# Altium PCB M5_CORE2_re.PcbDoc (part 1 of 3) (continued)
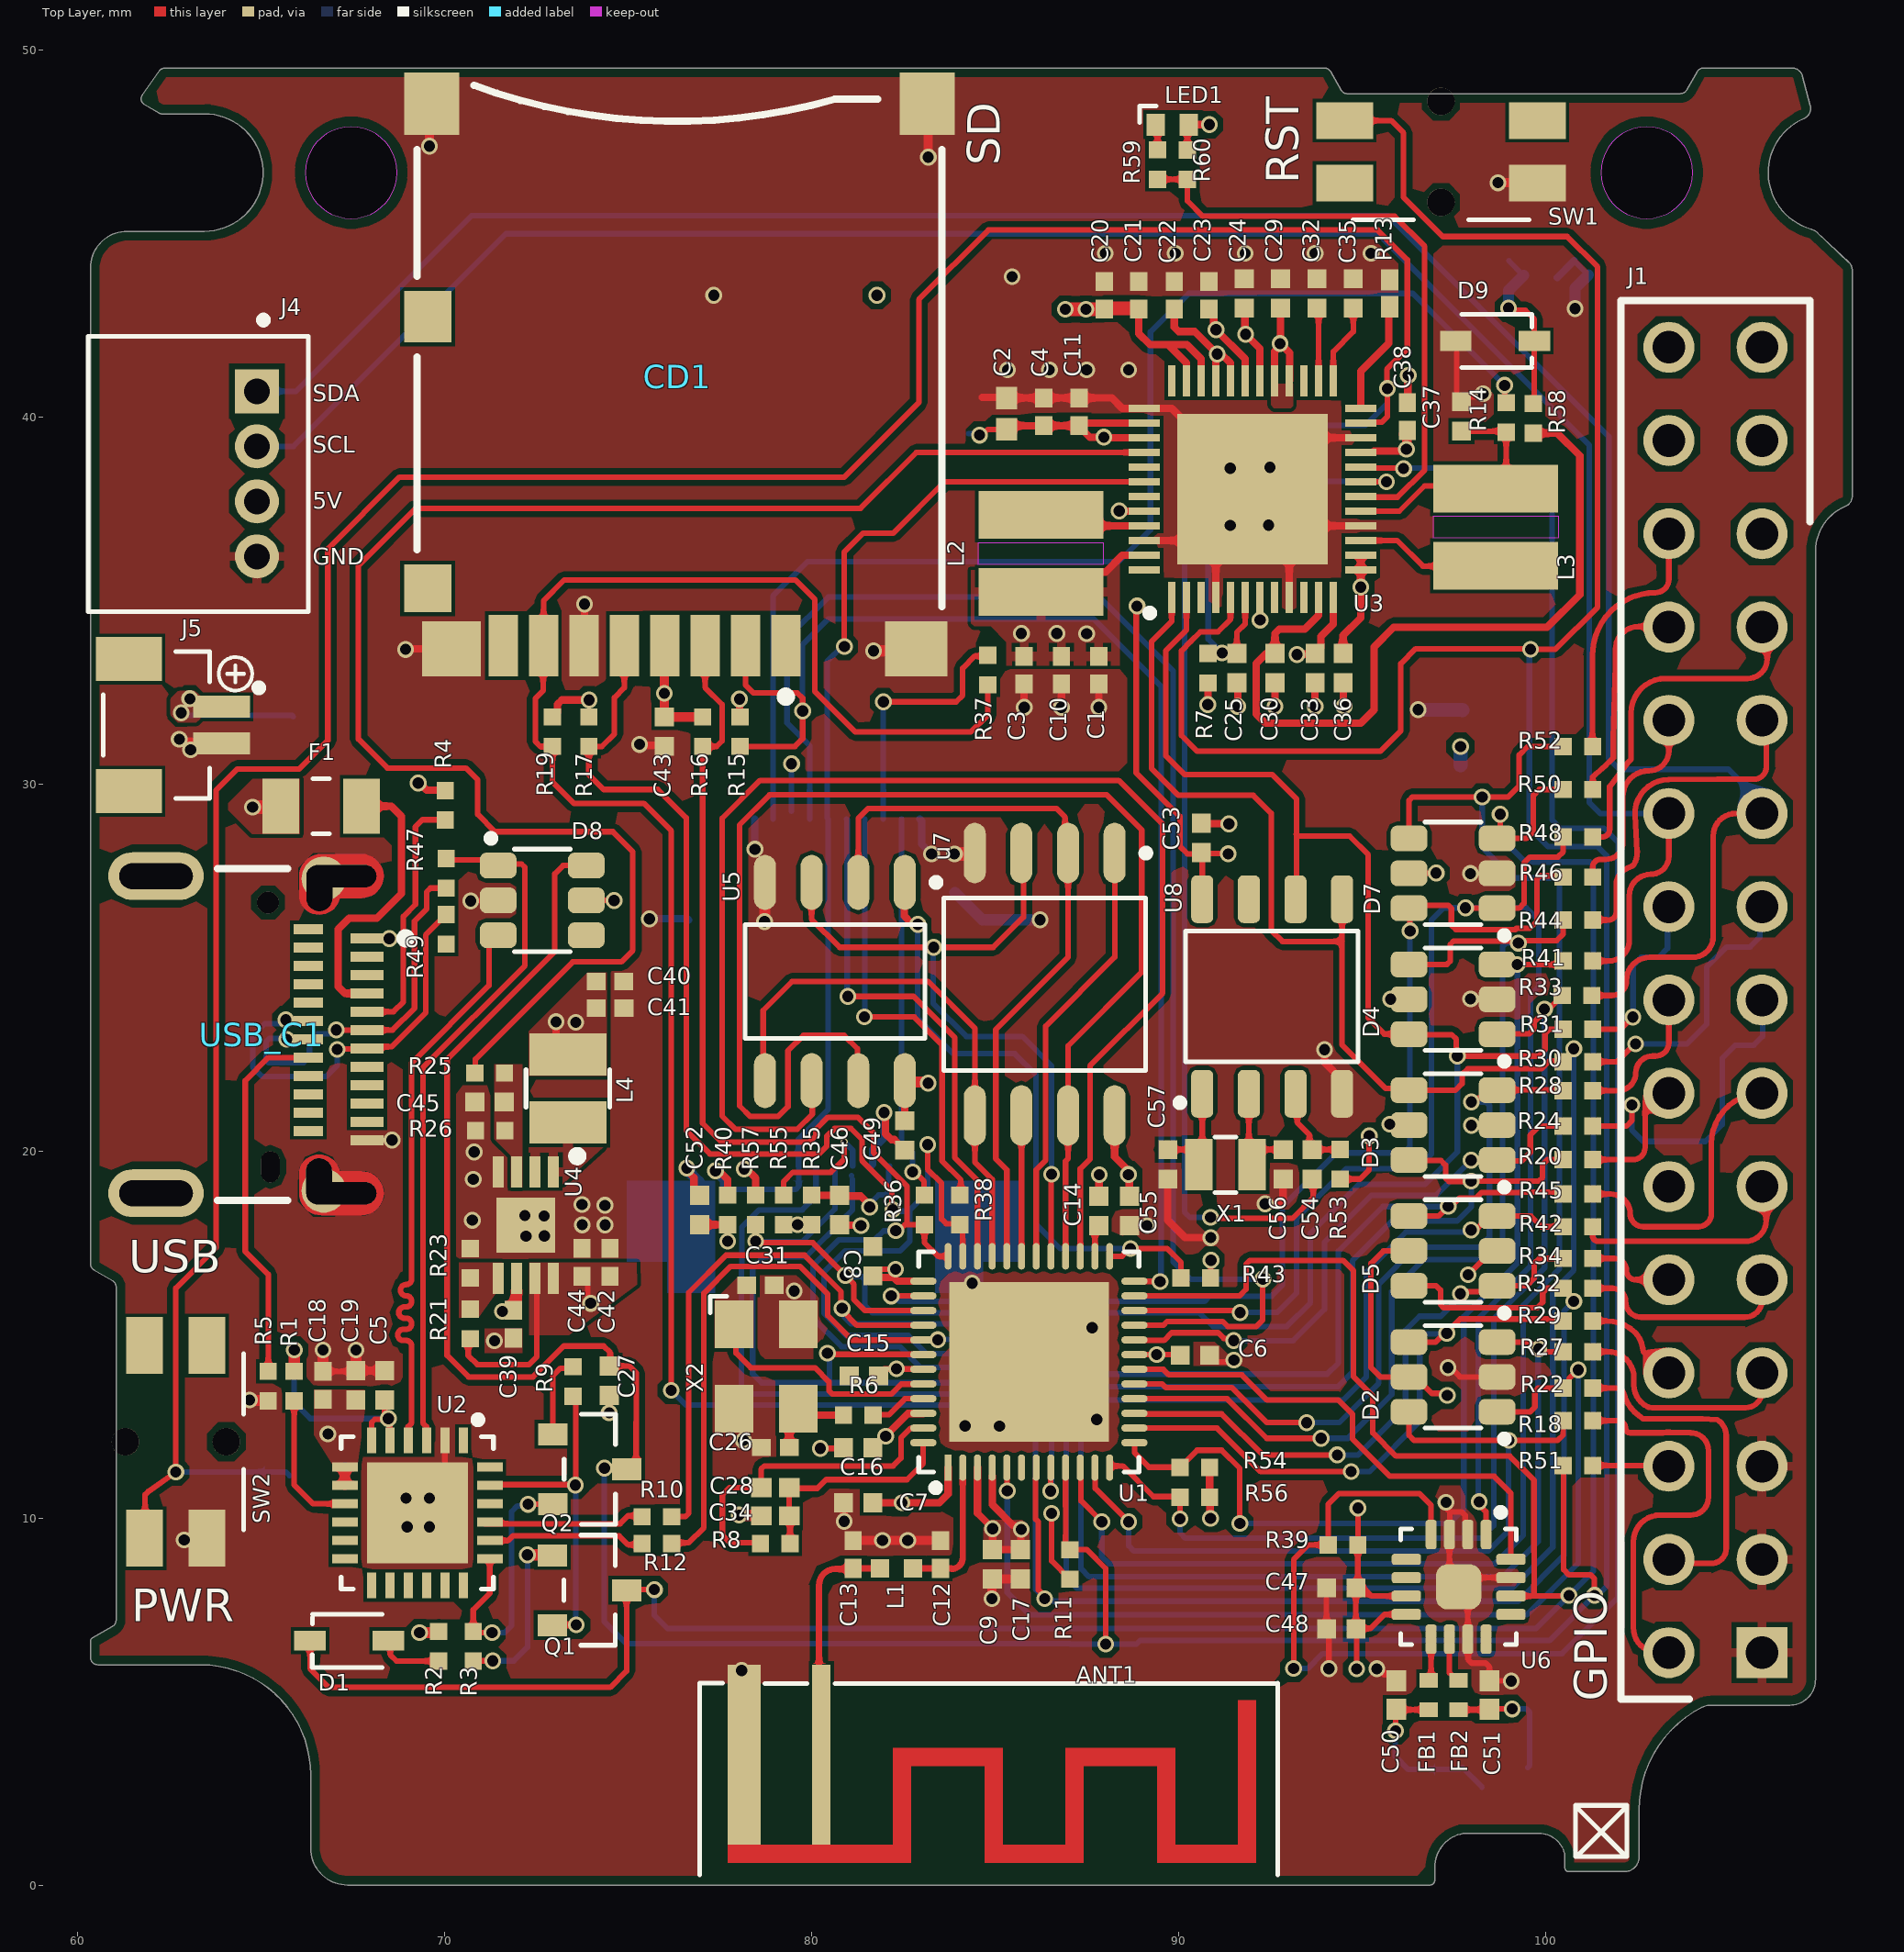
[diagram p0: Top Layer view]
## Footprints (in the part's own frame and the unit in brackets; to place one, negate y for a bottom-side part, rotate by r counter-clockwise, add the part's x,y. Pads: shape width x height; smd on the part's side, far side on the other; paste and mask are expansions set on the pad) (continued)
  rect 2.75x2.75 smd paste-1000 mask+0: 25(0,0)
  silkscreen extent -2.62,-2.07 2.07,2.07, body extent -2.42,-2.42 2.42,2.42, height 0.25
FP-CR0402-IPC_A [mm]
  rect 0.468x0.472 smd paste+0 mask+0: 1(-0.402,0) 2(0.402,0)
  body extent -1.04,-0.54 1.04,0.54, height 0.25
FP-ERJ2RK-IPC_C [mm]
  rect 0.468x0.472 smd paste+0 mask+0: 1(-0.402,0) 2(0.402,0)
  body extent -0.74,-0.38 0.74,0.38, height 0.25
FP-ESP32-D0WDQ6-IPC_C [mm]
  rect 0.718x0.192 smd paste+0 mask+0: 1(-2.877,2.2)
  rrect100% 0.718x0.192 smd paste+0 mask+0: 2(-2.877,1.8) 3(-2.877,1.4) 4(-2.877,1) 5(-2.877,0.6) 6(-2.877,0.2) 7(-2.877,-0.2) 8(-2.877,-0.6) 9(-2.877,-1) 10(-2.877,-1.4) 11(-2.877,-1.8) 12(-2.877,-2.2) 25(2.877,-2.2) 26(2.877,-1.8) 27(2.877,-1.4) 28(2.877,-1) 29(2.877,-0.6) 30(2.877,-0.2) 31(2.877,0.2) 32(2.877,0.6) 33(2.877,1) 34(2.877,1.4) 35(2.877,1.8) 36(2.877,2.2)
  rrect100% 0.192x0.718 smd paste+0 mask+0: 13(-2.2,-2.877) 14(-1.8,-2.877) 15(-1.4,-2.877) 16(-1,-2.877) 17(-0.6,-2.877) 18(-0.2,-2.877) 19(0.2,-2.877) 20(0.6,-2.877) 21(1,-2.877) 22(1.4,-2.877) 23(1.8,-2.877) 24(2.2,-2.877) 37(2.2,2.877) 38(1.8,2.877) 39(1.4,2.877) 40(1,2.877) 41(0.6,2.877) 42(0.2,2.877) 43(-0.2,2.877) 44(-0.6,2.877) 45(-1,2.877) 46(-1.4,2.877) 47(-1.8,2.877) 48(-2.2,2.877)
  rect 4.35x4.35 smd paste-1000 mask+0: 49(0,0)
  silkscreen extent -3.51,-3 3,3, body extent -3.34,-3.34 3.34,3.34, height 0.25
FP-EVQ-PUC02K-MFG [mm]
  rect 1.55x1 smd paste+0 mask+0: 1(2.625,0.85) 2(2.625,-0.85) 3(-2.625,0.85) 4(-2.625,-0.85)
  round 0.75 hole 0.75 unplated paste-2539.97 mask+0: ""(0,1.375) ""(0,-1.375)
  silkscreen extent -2.4,1.85 2.4,1.85, body extent -3.5,-2.95 3.5,1.95, height 0.25
FP-GJM155-0_05-IPC_C [mm]
  rect 0.515x0.472 smd paste+0 mask+0: 1(-0.379,0) 2(0.379,0)
  body extent -0.74,-0.38 0.74,0.38, height 0.25
FP-GRM155-0_1-IPC_B#1 [mm]
  rect 0.615x0.572 smd paste+0 mask+0: 1(-0.429,0) 2(0.429,0)
  body extent -0.89,-0.44 0.89,0.44, height 0.25
FP-GRM155-0_1-IPC_B#2 [mm]
  rect 0.52x0.52 smd paste+0 mask+0: 1(-0.4,0) 2(0.4,0)
  body extent -0.89,-0.44 0.89,0.44, height 0.25
FP-GRM155-0_2-IPC_B [mm]
  rect 0.52x0.52 smd paste+0 mask+0: 1(-0.4,0) 2(0.4,0)
  body extent -0.95,-0.5 0.95,0.5, height 0.25
FP-LQM2HPN_G0-IPC_C [mm]
  rect 1.155x2.106 smd paste+0 mask+0: 1(-0.926,0) 2(0.926,0)
  silkscreen extent -0.51,-1.14 0.51,1.14, body extent -1.6,-1.2 1.6,1.2, height 0.25
FP-RMCF0402-IPC_C [mm]
  rect 0.581x0.472 smd paste+0 mask+0: 1(-0.366,0) 2(0.366,0)
  body extent -0.76,-0.38 0.76,0.38, height 0.25
FP-S4B-ZR_LF_SN-MFG [mm]
  rect 1.2x1.2 hole 0.7 paste-2539.97 mask+0: 1(-2.25,1.6)
  round 1.2 hole 0.7 paste-2539.97 mask+0: 2(-0.75,1.6) 3(0.75,1.6) 4(2.25,1.6)
  silkscreen extent -4.27,-3 3.75,3, body extent -3.85,-3.1 3.85,3.1, height 0.25
FP-SML-P1-MFG [mm]
  rect 0.5x0.6 smd paste+0 mask+0: 1(-0.45,0) 2(0.45,0)
  silkscreen extent -0.89,0.06 -0.44,0.51, body extent -0.8,-0.43 0.8,0.43, height 0.25
FP-SOD323-MFG [mm]
  rect 0.86x0.54 smd paste+0 mask+0: 1(-1.07,0) 2(1.07,0)
  silkscreen extent -1.01,-0.72 0.9,0.72, body extent -1.6,-0.82 1.6,0.82, height 0.25
FP-SOT96-1-MFG [mm]
  rrect50% 1.3x0.6 smd paste+0 mask+0: 1(-2.65,1.905) 2(-2.65,0.635) 3(-2.65,-0.635) 4(-2.65,-1.905) 5(2.65,-1.905) 6(2.65,-0.635) 7(2.65,0.635) 8(2.65,1.905)
  silkscreen extent -2.97,-2.34 1.78,2.59, body extent -3.5,-2.75 3.5,2.75, height 0.25
FP-SS8050-G-MFG [mm]
  rect 0.8x0.6 smd paste+0 mask+0: 1(-1.01,0.95) 2(-1.01,-0.95) 3(1.01,0)
  silkscreen extent -0.7,-1.5 0.7,1.5, body extent -1.51,-1.6 1.51,1.6, height 0.25
FP-T1633-4-MFG [mm]
  rrect50% 0.8x0.3 smd paste+0 mask+0: 1(-1.425,0.75) 2(-1.425,0.25) 3(-1.425,-0.25) 4(-1.425,-0.75) 9(1.425,-0.75) 10(1.425,-0.25) 11(1.425,0.25) 12(1.425,0.75)
  rrect50% 0.3x0.8 smd paste+0 mask+0: 5(-0.75,-1.425) 6(-0.25,-1.425) 7(0.25,-1.425) 8(0.75,-1.425) 13(0.75,1.425) 14(0.25,1.425) 15(-0.25,1.425) 16(-0.75,1.425)
  rrect50% 1.23x1.23 smd paste+0 mask+0: 17(0,0)
  silkscreen extent -2.11,-1.58 1.58,1.58, body extent -1.92,-1.92 1.92,1.92, height 0.25
MOLX-52745-0897 [mm]
  rect 0.3x0.8 smd: 1(-1.75,0.824) 2(-1.25,0.824) 3(-0.75,0.824) 4(-0.25,0.824) 5(0.25,0.824) 6(0.75,0.824) 7(1.25,0.824) 8(1.75,0.824)
  rect 1x1 smd: MP1(-4.135,-0.824) MP2(4.135,-0.824)
  Top Layer region: 3,0.424 5.4,0.424 5.4,-1.776 5.4,-1.777 4.3,-1.777 4.3,-2.626 3,-2.626 3,0.424
  Top Layer region: -5.4,0.424 -3,0.424 -3,-2.626 -3,-2.626 -4.3,-2.626 -4.3,-1.777 -4.3,-1.776 -5.4,-1.776
  silkscreen extent -5.05,-5.48 5.05,1.85, body extent -5.05,-5.48 5.05,0.92, height 2.01
MOLX-502774-0891_V [mm] "SMD, 14-Leads, Body 15x14.3mm, Pitch 1.1mm"
  rect 0.8x1.68 smd: 1(-2.9,7.385) 2(-1.8,7.385) 3(-0.7,7.385) 4(0.4,7.385) 5(1.5,7.385) 6(2.6,7.385) 7(3.7,7.385) 8(4.8,7.385)
  rect 1.29x1.3 smd: 9(6.855,5.825)
  rect 1.29x1.4 smd: 10(6.855,-1.575)
  rect 1.5x1.7 smd: 11(6.75,-7.375) 12(-6.75,-7.375)
  rect 1.7x1.5 smd: 13(-6.45,7.475)
  rect 1.6x1.5 smd: 14(6.21,7.475)
  silkscreen extent -7.15,-7.88 7.15,8.9, body extent -7.15,-8 7.15,8, height 1.78
RESC1005X40X25LL05T10 [mm]
  rect 0.472x0.468 smd: 1(-0.402,0) 2(0.402,0)
  body extent -0.53,-0.27 0.53,0.28, height 0.4
SEIK-MS621FE-FL11E-2_V [mm] "SMD, 2-Leads, Diameter 6.8mm"
  rect 1.8x0.5 smd: 1(4.75,0.75)
  rect 1.7x0.5 smd: 2(4.8,-0.75)
  silkscreen extent -3.4,-3.4 5,3.4, body extent -3.4,-3.4 4.35,3.4, height 2.7
SPI_Flash_MT25QL128ABA1ESE-0SIT [mm] "SOP2, 8-Leads, Body 5.29x5.29mm, Pitch 1.27mm, IPC Medium Density"
  oval 1.65x0.6 smd: 1(-3.575,1.905) 2(-3.575,0.635) 3(-3.575,-0.635) 4(-3.575,-1.905) 5(3.575,-1.905) 6(3.575,-0.635) 7(3.575,0.635) 8(3.575,1.905)
  silkscreen extent -3.65,-2.75 2.35,2.83, body extent -3.95,-2.75 3.95,2.75, height 1.78
SY7088 [mm]
  rect 0.85x0.3 smd: 1(-1.45,0.75) 2(-1.45,0.25) 3(-1.45,-0.25) 4(-1.45,-0.75) 5(1.45,-0.75) 6(1.45,-0.25) 7(1.45,0.25) 8(1.45,0.75)
  rect 1.5x1.6 smd: 9(0,0)
  silkscreen extent -2,1.28 -1.75,1.53, body extent -1.55,-1 1.55,1, height 0.9
TP06R [mm]
  round 1.207 smd paste-1000 mask+0: 1(0,0)
TypeC [mm]
  rrect100% 0.6x1.9 hole 1.9 slot 0.6 at 0 deg paste-2539.97 mask+0: 1(-4.32,3.265) 2(4.32,3.265)
  round 1.207 smd far side paste-1000 mask+0: 1(-4.25,2.785) 2(4.25,2.785)
  round 1.207 smd paste-1000 mask+0: 1(-4.25,2.785) 2(4.25,2.785)
  rrect100% 1.25x0.7 hole 0.7 slot 1.25 at 0 deg paste-2539.97 mask+0: 1(-3.995,2.665) 2(3.995,2.655)
  rrect100% 1.3x2.6 hole 2 slot 0.7 at 0 deg paste-2539.97 mask+0: 3(-4.32,-1.785) 4(4.32,-1.785)
  rect 0.27x0.9 smd paste+0 mask+0: A1(-2.625,3.965) A2(-2.125,3.965) A3(-1.625,3.965) A4(-1.125,3.965) A5(-0.625,3.965) A6(-0.125,3.965) A7(0.375,3.965) A8(0.875,3.965) A9(1.375,3.965) A10(1.875,3.965) A11(2.375,3.965) A12(2.875,3.965)
  rect 0.27x0.8 smd paste+0 mask+0: B1(2.625,2.365) B2(2.125,2.365) B3(1.625,2.365) B4(1.125,2.365) B5(0.625,2.365) B6(0.125,2.365) B7(-0.375,2.365) B8(-0.875,2.365) B9(-1.375,2.365) B10(-1.875,2.365) B11(-2.375,2.365) B12(-2.875,2.365)
  round 0.6 hole 0.6 unplated paste-2539.97 mask+0: ""(-3.6,1.265)
  rrect100% 0.85x0.5 hole 0.5 slot 0.85 at 0 deg unplated paste-2539.97 mask+0: ""(3.6,1.33)
  Top Layer region: -4.92,3.815 -4.84,4.115 -4.62,4.335 -4.32,4.415 -4.32,4.415 -4.09,4.369 -3.896,4.239 -3.766,4.045 -3.72,3.815 -3.72,3.815 -3.72,3.215 -3.487,3.112 -3.325,2.914 -3.27,2.665 -3.27,2.665 -3.321,2.42 -3.475,2.223 -3.7,2.115 -3.7,2.115 -4.32,2.115 -4.55,2.161 -4.744,2.291 -4.874,2.485 -4.92,2.715 -4.92,2.715
  Top Layer region: 4.92,3.815 4.84,4.115 4.62,4.335 4.32,4.415 4.32,4.415 4.09,4.369 3.896,4.239 3.766,4.045 3.72,3.815 3.72,3.815 3.72,3.215 3.487,3.112 3.325,2.914 3.27,2.665 3.27,2.665 3.321,2.42 3.475,2.223 3.7,2.115 3.7,2.115 4.32,2.115 4.55,2.161 4.744,2.291 4.874,2.485 4.92,2.715 4.92,2.715
  Bottom Layer region: -4.92,3.815 -4.84,4.115 -4.62,4.335 -4.32,4.415 -4.32,4.415 -4.09,4.369 -3.896,4.239 -3.766,4.045 -3.72,3.815 -3.72,3.815 -3.72,3.215 -3.487,3.112 -3.325,2.914 -3.27,2.665 -3.27,2.665 -3.321,2.42 -3.475,2.223 -3.7,2.115 -3.7,2.115 -4.32,2.115 -4.55,2.161 -4.744,2.291 -4.874,2.485 -4.92,2.715 -4.92,2.715
  Bottom Layer region: 4.92,3.815 4.84,4.115 4.62,4.335 4.32,4.415 4.32,4.415 4.09,4.369 3.896,4.239 3.766,4.045 3.72,3.815 3.72,3.815 3.72,3.215 3.487,3.112 3.325,2.914 3.27,2.665 3.27,2.665 3.321,2.42 3.475,2.223 3.7,2.115 3.7,2.115 4.32,2.115 4.55,2.161 4.744,2.291 4.874,2.485 4.92,2.715 4.92,2.715
  silkscreen extent -4.52,-0.11 4.52,5.14, body extent -4.47,-4.09 4.47,4.09, height 3.29
WE-MAPI_3015 [mm]
  rect 1.3x3.4 smd: 1(-1.05,0) 2(1.05,0)
  Top Layer keep-out region: -0.3,1.7 0.3,1.7 0.3,-1.7 -0.3,-1.7
  body extent -1.5,-1.5 1.5,1.5, height 1.5
WE-TCI_0402 [mm]
  rect 0.5x0.5 smd: 1(-0.45,0) 2(0.45,0)
  body extent -0.5,-0.25 0.5,0.25, height 0.32

## Part data
ANT1: "Generic symbol for PCB Antenna,", Frequency=2.4GHz, Reference=https://www.ti.com/lit/an/swra117d/swra117d.pdf
BT1: library part CMP-2000-05342-1, "MS Lihium Rechargeable Battery, 3 V, -20 to 60 degC, Tray", Capacity=5.5mAh, Manufacturer=SeikoInstruments, Output Voltage=3V, Battery Size=621, Brand=SeikoInstrumentsMicroEnergy, Chemistry=Lithium, Datasheet URL=http://datasheet.octopart.com/MS621FE-FL11E-Seiko-datasheet-5320152.pdf, Datasheet Version=Jan-08, Diameter=6.8mm, Factory Pack Quantity=100, Height=2.1mm, Manufacturer URL=http://www.sii.co.jp/en/, Mounting Style=WithLeads, Orientation=Vertical, Packaging=Tray, Product Category=CoinCellBattery, Rechargeable/Non-Rechargeable=Rechargeable, RoHS=NotApplicable, Series=MS, Termination Style=ThroughHole, Type=CoinCellBatterywithLeads, Unit Weight=0.008113oz
C1 C3 C4 C10 C11 C18 C20 C21 C22 C23 C38 C39 C40 C41 C42 C44: library part CMP-13271-000001-1, "CAP CER 22UF 6.3V X5R 0402", Capacitance=22uF, Manufacturer=Samsung, Manufacturer Part Number=CL05A226MQ5N6J8, Package=0402, Temperature="-55°C to +85°C", Temperature Characteristic=X5R, Temperature Coefficient=15%, Temperature Range High=+85°C, Temperature Range Low=-55°C, Tolerance=20%, Voltage Rating=6.3V, Automotive=No, Category=Cap, ComponentLink2Description=Datasheet, ComponentLink2URL=http://www.samsungsem.com/kr/support/library/product-catalog/__icsFiles/afieldfile/2018/11/28/MLCC.pdf, Device Class L1="Passive Components", Device Class L2=Capacitors, Device Class L3="Ceramic Capacitors", Digikey Description="CAP CER 22UF 6.3V X5R 0402", Height=0.55mm, Ipc Land Pattern Name=CAPC10050X50, Lead Free=Yes, Material=Ceramic, Octopart=https://octopart.com/cl05a226mq5n6j8-samsung-82337113, RoHS=TRUE
C2 C30 C33 C36 C46: library part CMP-2008-04549-2, "Chip Multilayer Ceramic Capacitors for General Purpose, 0402, 4.7uF, X5R, 15%, 20%, 6.3V", Capacitance=4.7uF, Case Code (Imperial)=0402, Case Code (Metric)=1005, Dielectric=X5R, Manufacturer=Murata, Manufacturer Part Number=GRM155R60J475ME47D, Max Operating Temperature=85°C, Min Operating Temperature=-55°C, Package Quantity=10000, Tolerance=20%, Voltage=6.3V, Case/Package=0402, Contact Plating=Tin, Depth=0.5mm, Height=0.5mm, Lead Free="Lead Free", Length=1mm, Mount="Surface Mount", Packaging="Tape and Reel", REACH SVHC="No SVHC", Termination=SMD/SMT, Thickness=0.022inch, Voltage Rating=6.3V, Voltage Rating (DC)=6.3V, Weight=0.000212oz, Width=0.02inch
C5 C37 C47 C54: library part CMP-2006-02285-3, "CAP CER 10UF 6.3V X5R 0603", Capacitance=10uF, Manufacturer=KEMET, Manufacturer Part Number=C0603C106M9PACTU, Temperature="-55°C to +85°C", Temperature Characteristic=X5R, Temperature Coefficient=15%, Temperature Range High=+85°C, Temperature Range Low=-55°C, Tolerance=20%, Voltage Rating=6.3V, Automotive=No, Category=Cap, ComponentLink2Description=Datasheet, ComponentLink2URL=http://www.kemet.com/Lists/ProductCatalog/Attachments/19/KEM_C1006_X5R_SMD.pdf, Device Class L1="Passive Components", Device Class L2=Capacitors, Device Class L3="Ceramic Capacitors", Digikey Description="CAP CER 10UF 6.3V X5R 0603", Height=0.9mm, Ipc Land Pattern Name=CAPC16080X80, Lead Free=Yes, Material=Ceramic, Mouser Description="In a Pack of 10, KEMET 0603 (1608M) 10µF MLCC 6.3V dc ±20% SMD C0603C106M9PACTU", Octopart=https://octopart.com/c0603c106m9pactu-kemet-8375727, Package=C0603C106M9PACTU, RoHS=TRUE
C6 C8 C15 C16 C17 C19 C43 C48 C49 C52 C53 C55: library part CMP-2008-02046-2, "CAP CER 0.1UF 10V X5R 0402", Capacitance="0.10 μF", Manufacturer=KEMET, Manufacturer Part Number=C0402C104K8PACTU, Package=C0402-BB, Temperature="-55°C to +125°C", Temperature Characteristic=X5R, Temperature Coefficient=15%, Temperature Range High=+125°C, Temperature Range Low=-55°C, Tolerance=0.1, Voltage Rating="10 V", Automotive=No, Category=Cap, ComponentLink2Description=Datasheet, ComponentLink2URL=https://content.kemet.com/datasheets/KEM_C1002_X7R_SMD.pdf, Device Class L1="Passive Components", Device Class L2=Capacitors, Device Class L3="Ceramic Capacitors", Digikey Description="CAP CER 0.1UF 10V X5R 0402", Height=0.55mm, Ipc Land Pattern Name=CAPC10050X50, Lead Free=Yes, Material=Ceramic, Mouser Description="Capacitor 100 nF 10 VDC 0402", Octopart=https://octopart.com/c0402c104k8pactu-kemet-140039, RoHS=TRUE
C7 C14 C24 C25 C27 C29 C32 C35 C45: library part CMP-2008-02075-2, "CAP CER 1UF 6.3V X5R 0402", Capacitance=1uF, Case Code (Imperial)=0402, Dielectric=X5R, Dielectric Material=Ceramic, Manufacturer=KEMET, Manufacturer Part Number=C0402C105K9PACTU, Max Operating Temperature=85°C, Min Operating Temperature=-55°C, Package Quantity=1, Tolerance=10%, Voltage=6.3V, Case/Package=0402, Construction=Flat, Depth=0.5mm, Height=0.5mm, Lead Free="Lead Free", Lead Pitch=0.3mm, Length=1mm, Mount="Surface Mount", Number of Pins=2, Packaging="Tape and Reel", Radiation Hardening=No, REACH SVHC="No SVHC", RoHS Compliant=Yes, Series=C, Termination=SMD/SMT, Thickness=0.022inch, Voltage Rating=6.3V, Voltage Rating (DC)=6.3V, Width=0.02inch
C9: library part CMP-2000-05265-2, "CAP CER 10UF 6.3V X5R 0402", Capacitance=10uF, Case Code (Imperial)=0402, Case Code (Metric)=1005, Dielectric=X5R, Manufacturer=Murata, Manufacturer Part Number=GRM155R60J106ME44D, Max Operating Temperature=85°C, Min Operating Temperature=-55°C, Package Quantity=10000, Tolerance=20%, Voltage=6.3V, Case/Package=0402, Depth=0.5mm, Height=0.5mm, Lead Free="Lead Free", Length=1mm, Mount="Surface Mount", Packaging="Tape and Reel", REACH SVHC="No SVHC", RoHS Compliant=Yes, Series=GRM, Termination=SMD/SMT, Thickness=0.022inch, Voltage Rating=6.3V, Voltage Rating (DC)=6.3V, Width=0.5mm
C12 C13 C26 C31: library part CMP-06035-038280-1, "Multi-Layer Ceramic Capacitor 5.5pF C0G  ±0.05pF 0402 Paper T/R", Capacitance=5.5pF, Case Code (Imperial)=0402, Case Code (Metric)=1005, Dielectric=C0G, Manufacturer=Murata, Manufacturer Part Number=GJM1555C1H5R5WB01D, Max Operating Temperature=125°C, Min Operating Temperature=-55°C, Package Quantity=10000, Voltage Rating=50V, Case/Package=0402, Depth=0.5mm, Height=0.5mm, Length=0.039inch, Mount="Surface Mount", Packaging="Tape and Reel", Radiation Hardening=No, Termination=SMD/SMT, Thickness=0.022inch, Voltage Rating (DC)=50V, Width=0.02inch
C28: library part CMP-1034-01766-2, Manufacturer=KEMET, Manufacturer Part Number=C0402C332K9RAC, Part Number=C0402C332K9RACTU
C34: library part CMP-1034-01868-2, Manufacturer=KEMET, Manufacturer Part Number=C0402C103K9RAC, Part Number=C0402C103K9RACTU
C50 C51: library part CMP-2008-02969-1, Manufacturer="Kyocera AVX", Manufacturer Part Number=0402ZC221KAT2A, Part Number=0402ZC221KAT2A
C56 C57: library part CMP-08246-001536-1, "Cap Ceramic 6pF 50V C0G 0.5pF Pad SMD 0402 +125°C Automotive T/R", Capacitance=6pF, Case Code (Imperial)=0402, Case Code (Metric)=1005, Dielectric=C0G, Manufacturer=TDK, Manufacturer Part Number=CGA2B2C0G1H060D050BA, Max Operating Temperature=125°C, Min Operating Temperature=-55°C, Package Quantity=1, Ratings=AEC-Q200, Voltage Rating=50V, Case/Package=0402, Composition=Ceramic, Depth=0.5mm, Height=0.5mm, Length=1mm, Mount="Surface Mount", Packaging="Tape and Reel", REACH SVHC="No SVHC", Termination=SMD/SMT, Thickness=0.022inch, Voltage Rating (DC)=50V, Weight=2.3E-05oz, Width=0.02inch
CD1: library part CMP-2000-05248-1, "Micro SD Memory Card Connector, 0.5 A, 10 V (DC), -25 to 85 degC, 8-Pin SMT, RoHS, Tape and Reel", Manufacturer=Molex, Standard Package=1, 3D Model=502774-0891.stp, Card Type=SecureDigital-microSD™, Catalog Drawings=502774-0891, Category=Connectors,Interconnects, Connector Type=ConnectorandEjector, Contact Finish=Gold, Contact Finish Thickness=20µin(0.51µm), Datasheet URL=https://datasheet.ciiva.com/1104/1499551-1104671.pdf, Datasheet Version="Rev. D, 04/2004", Ejector Side=-, Family=MemoryConnectors-PCCardSockets, Features=Switch, Height Above Board="0.071\"(1.80mm)", Insertion, Removal Method=PushIn,PushOut, Manufacturer URL=http://www.molex.com/, Mounting Feature=Reverse-Bottom, Mounting Type=SurfaceMount,RightAngle, Number of Positions=10(8+2), Online Catalog=microSD™Series, Other Names=WM24066DKR, Packaging=Digi-Reel, RoHS Information=502774-0891CertofCompliance, Series=502774
D1 D9: library part CMP-0895-00001-2, "Switching Diode, 2-Pin SOD-123, Pb-Free, Tape and Reel", Manufacturer="ON Semiconductor", Manufacturer Part Number=MMSD4148T1G, ComponentLink1Description="Manufacturer URL", ComponentLink1URL=http://www.onsemi.com/, ComponentLink2Description=Datasheet, ComponentLink2URL=http://www.onsemi.com/pub_link/Collateral/MMSD4148T1-D.PDF, ComponentLink3Description="Package Specification", ComponentLink3URL=http://www.onsemi.com/pub_link/Collateral/425-04.PDF, Configuration=Single, DatasheetVersion="Rev. 11", IF Max (A)=0.2, Mounting Technology="Surface Mount", PackageDescription="2-Pin SOD, Body 1.6 x 2.69 mm", PackageReference=SOD-123-2-425-04, PackageVersion="Rev. G, 10/2009", Packing="Tape and Reel", PartNumber=MMSD4148T1G, RoHS=TRUE, trr Max (ns)=4
D2 D3 D4 D5 D7 D8: library part CMP-07401-000007-1, "TVS DIODE 5V 15V SOT23-6", Breakdown Voltage=6V, Clamping Voltage=15V, Manufacturer=Bourns, Manufacturer Part Number=CDSOT23-SRV05-4, Max Junction Temp=+150°C, Peak Pulse Current=30A, Peak Pulse Power=500W, Reverse Standoff Voltage=5V, Temperature="-55°C to +150°C", Temperature Range Low=-55°C, Automotive=No, Category=Diode, ComponentLink2Description=Datasheet, ComponentLink2URL=https://www.bourns.com/docs/Product-Datasheets/CDSOT23-SRV05-4.pdf, Device Class L1="Circuit Protection", Device Class L2="TVS Diodes", Device Class L3=unset, Digikey Description="TVS DIODE 5V 15V SOT23-6", Direction=Bidirectional, Height=1.45mm, Ipc Land Pattern Name=SOT95P280X118-6, Lead Free=Yes, Mouser Description="CDSOT23-SRV05-4, Quad Uni-Directional TVS Diode, 500W, 6-Pin SOT-23", Number Of Channels=4, Octopart=https://octopart.com/cdsot23-srv05-4-bourns-1679449, Package=CDSOT23-SRV05-4, RoHS=TRUE, Standoff Height=0.2mm, Temperature Range High=+150°C
F1: library part CMP-08606-000023-1, "PTC RESET FUSE 6V 500MA 0805", Ambient Temperature Range High=+85°C, Ambient Temperature Range Low=-40°C, Current Rating=100A, Hold Current=0.5A, Manufacturer=Littelfuse, Manufacturer Part Number=0805L050WR, Package=0805L, Resistance=0.15-0.85Ω, Temperature="-40°C to +85°C", Trip Current=1A, Voltage Rating=6V, Automotive=No, Category=Fuse, ComponentLink2Description=Datasheet, ComponentLink2URL=https://www.littelfuse.com/~/media/electronics/datasheets/resettable_ptcs/littelfuse_ptc_0805l_datasheet.pdf.pdf, Device Class L1="Circuit Protection", Device Class L2="PTC Resettable Fuses", Device Class L3=unset, Digikey Description="PTC RESET FUSE 6V 500MA 0805", Height=1.25mm, Lead Free=Yes, Mouser Description="PTC Resettable Fuse 0.5A(hold) 1A(trip) 6VDC 100A 0.5W 0.1s 0.15Ohm SMD Solder Pad 0805 T/R", Octopart=https://octopart.com/0805l050wr-littelfuse-673858, RoHS=TRUE, Temperature Range High=+85°C, Temperature Range Low=-40°C, Trip Time=0.1s
FB1 FB2: library part CMP-0686-00187-4, "Chip Ferrite Bead, 0402, 600Ω @ 100MHz, 0.52Ω, 25%, 300mA", Case Code (Imperial)=0402, Case Code (Metric)=1005, Current Rating=300mA, DC Resistance (DCR)=520mR, DC Resistance-Max=600mR, Frequency=100MHz, Manufacturer=Murata, Max Operating Temperature=125°C, Min Operating Temperature=-55°C, Package Quantity=10000, Tolerance=25%, Case/Package=0402, Core Material=Ferrite, DC Current=300mA, Depth=0.55mm, Height=0.5mm, Impedance=600R, Lead Free="Lead Free", Length=1mm, Manufacturer Part Number=BLM15AG601SN1D, Material=Steel, Max Current Rating=300mA, Max DC Current=300mA, Military Standard=Not, Number of Circuits=1, Number of Lines=1, Number of Pins=2, Packaging="Tape and Reel", Radiation Hardening=No, REACH SVHC="No SVHC", RoHS Compliant=Yes, Series=BLM15AG_SN, Shielding=Unshielded, Termination=SMD/SMT, Test Frequency=100MHz, Width=0.5mm
J1: library part CMP-03369-000056-1, "CONN RCPT 30POS 0.1 GOLD PCB", Current Rating=2A, Manufacturer="TE Connectivity", Manufacturer Part Number=6-534206-5, Package=0, Temperature="-65°C to +105°C", Temperature Range High=+105°C, Temperature Range Low=-65°C, Automotive=No, Category=Conn, ComponentLink2Description=Datasheet, ComponentLink2URL=https://www.te.com/commerce/DocumentDelivery/DDEController?Action=showdoc&DocId=Specification+Or+Standard%7F114-25018%7FE%7Fpdf%7FEnglish%7FENG_SS_114-25018_E.pdf%7F6-534206-5, Conn Gender=Female, Conn Orientation=Vertical, Contact Material=Gold,Nickel, Device Class L1=Connectors, Device Class L2="Headers and Wire Housings", Device Class L3=unset, Digikey Description="CONN RCPT 30POS 0.1 GOLD PCB", Footprint Url=https://www.te.com/commerce/DocumentDelivery/DDEController?Action=showdoc&DocId=Customer+Drawing%7F534206%7FR7%7Fpdf%7FEnglish%7FENG_CD_534206_R7.pdf%7F6-534206-5, Height=8.9mm, Is Female=yes, Lead Free=Yes, Mouser Description="Headers & Wire Housings REC 2X15P VRT T/H", Number of Contacts=30, Number of Rows=2, Octopart=https://octopart.com/6-534206-5-te+connectivity-39516817, Pitch=2.54mm, RoHS=TRUE, Standoff Height=0.38mm
J2: library part CMP-1502-01625-2, Contact Resistance=50mΩ, Current Rating=500mA, Flammability Rating="UL94 V-0", Insulation Resistance=500MΩ, Max Operating Temperature=105°C, Min Operating Temperature=-40°C, Operating Supply Voltage=50V, Actuator Material="Nylon, Polyamide", Contact Material=Bronze, Contact Plating=Tin, Gender=Receptacle, Housing Material=Nylon, Lead Pitch=500µm, Length=5.6mm, Mount="Surface Mount", NexarPartId=52645150, Number of Contacts=10, Number of Pins=10, Number of Positions=10, Number of Rows=1, Orientation=Horizontal, Packaging="Tape and Reel", Pitch=500µm, REACH SVHC=Unknown, RoHS=Compliant, Termination=Solder, Voltage Rating=50V, Wire/Cable Type=Straight
J3: library part CMP-1241-00354-1, "0.5 mm Pitch Easy-On(TM) Type FPC Connector, 2.0 mm Mated Height, Right Angle, ZIF, SMT, Top Contact, 8 Circuits, -20 to 85 degC, ELV and RoHS Compliant, Tape and Reel", Current (Max per Contact)=0.5A, Manufacturer=Molex, Manufacturer Part Number=52745-0897, Voltage (Max)=50V, Circuits (Loaded)=8, ComponentLink1Description="Manufacturer URL", ComponentLink1URL=http://www.molex.com/molex/index.jsp, ComponentLink2Description=Datasheet, ComponentLink2URL=http://www.molex.com/webdocs/datasheets/pdf/en-us/0527450897_FFC_FPC_CONNECTORS.pdf, ComponentLink3Description="Package Specification", ComponentLink3URL=http://www.molex.com/pdm_docs/sd/527450897_sd.pdf, Contact Position=Top, Durability (mating cycles max)=20, Entry Angle="90degrees Angle", Mated Height=2.00mm, Material - Metal="Phosphor Bronze", Material - Plating Mating=Gold, Material - Plating Termination=Gold, Mounting Technology="Surface Mount", Number of Rows=1, Orientation="Right Angle", PackageDescription="8-Lead FPC Connector, Pitch 0.5 mm", PackageReference=52745-0897, PackageVersion="Rev. C, 07/2010", Packing="Tape and Reel", PartNumber=52745-0897, PCB Locator=No, PCB Retention=Yes, Pitch - Mating Interface=0.50mm, Polarized to PCB=Yes, RoHS=TRUE, Stackable=No
J4: library part CMP-17439-000004-1, "CONN HEADER R/A 4POS 1.5MM", Current Rating=1A, Manufacturer=JST, Temperature="-25°C to +85°C", Temperature Range High=+85°C, Temperature Range Low=-25°C, Voltage Rating=50V, Automotive=No, Category=Conn, ComponentLink2Description=Datasheet, ComponentLink2URL=http://www.jst-mfg.com/product/pdf/eng/eZH.pdf, Conn Gender=Male, Conn Orientation="Right Angle", Contact Material=Tin, Device Class L1=Connectors, Device Class L2="Headers and Wire Housings", Device Class L3=unset, Digikey Description="CONN HEADER R/A 4POS 1.5MM", Height=3.7mm, Lead Free=Yes, Manufacturer Part Number=S4B-ZR(LF)(SN), Number of Contacts=4, Number of Rows=1, Octopart=https://octopart.com/s4b-zr%28lf%29%28sn%29-jst-248835, Package=S4B-ZR(LF)(SN), Pitch=1.5mm, RoHS=TRUE
J5: library part CMP-17439-000179-1, "CONN WIRE HDR 2POS 1MM STSMD", Color=Natural, Contact Resistance=20mR, Flammability Rating="UL94 V-0", Manufacturer=JST, Max Current Rating=1A, Max Operating Temperature=85°C, Max Voltage Rating (AC)=50V, Min Operating Temperature=-25°C, Package Quantity=1500, Connector Type=Header, Contact Finish - Mating=TIN, Contact Material="Copper Alloy", Contact Plating=Tin, Contact Shape=Square, Contact Type="Male Pin", Depth=3.6mm, Fastening Type=Pull, Housing Color=Natural, Housing Material=Polyamide, Insulation Color=Natural, Insulation Material=Nylon, Lead Free="Lead Free", Length=4mm, Manufacturer Part Number=BM02B-SRSS-TBT(LF)(SN), Mated Stacking Heights=4.9mm, Max Voltage Rating (DC)=50V, Mount="Surface Mount", Number of Positions=2, Number of Rows=1, Orientation=Straight, Packaging="Tape and Reel", Pitch=0.039inch, Series=SR, Termination=Solder, Voltage Rating=50V
L1: library part CMP-03913-14415874-1, "744901018 Fixed Ind 1.8NH 560MA 200MOHM Sm", Case Code (Imperial)=0402, Case Code (Metric)=1005, Current Rating=560mA, DC Resistance (DCR)=140mΩ, Inductance=1.8nH, Manufacturer="Wurth Electronics", Manufacturer Part Number=744901018, Max Operating Temperature=125°C, Min Operating Temperature=-40°C, Self Resonant Frequency=10GHz, Test Frequency=500MHz, Case/Package=0402, Composition="Thin Film", Core Material=Alumina, Height=320µm, Height - Seated (Max)=406.4µm, Length=1mm, Max DC Current=560mA, Mount="Surface Mount", NexarPartId=14415874, Number of Pins=2, Packaging=Digi-Reel®, Q Factor=13, REACH SVHC="No SVHC", RoHS=Compliant, Shielding=Unshielded, Width=500µm
L2 L3: library part CMP-1393-00018-2, Ambient Temperature Range High=85°C, Ambient Temperature Range Low=-40°C, Case Code (Imperial)=1212, Case Code (Metric)=3030, Case/Package=SMD/SMT, Current Rating=1.8A, DC Resistance (DCR)=94mΩ, Inductance=2.2µH, Inductance Tolerance=20%, Manufacturer="Wurth Electronics", Manufacturer Part Number=74438335022, Max Operating Temperature=125°C, Saturation Current=3.5A, Self Resonant Frequency=45MHz, Test Frequency=100kHz, Core Material="Composite, Ferrite, Metal", Depth=3mm, Height=1.5mm, Height - Seated (Max)=1.4986mm, Length=3mm, Max DC Current=1.8A, Min Operating Temperature=-40°C, Mount="Surface Mount", NexarPartId=30848167, Number of Pins=2, Packaging="Cut Tape (CT)", REACH SVHC=Unknown, RMS Current (Irms)=1.8A, RoHS=Compliant, Series Resistance=94mΩ, Shielding=Shielded, Termination=SMD/SMT, Tolerance=20%, Width=3mm
L4: library part CMP-1662-00028-2, "Multilayer Type Inductor for Power Lines, 1008 (2520), 2.2μH, 20%, 0.1Ω, 1.3A", Case Code (Imperial)=1008, Case Code (Metric)=2520, Current Rating=1.3A, DC Resistance (DCR)=100mR, Inductance=2.2uH, Inductance Tolerance=20%, Manufacturer=Murata, Manufacturer Part Number=LQM2HPN2R2MG0L, Max Operating Temperature=125°C, Min Operating Temperature=-55°C, Package Quantity=3000, Self Resonant Frequency=40MHz, Test Frequency=1MHz, Case/Package=1008, Core Material=Ferrite, DC Current=1.3A, Depth=2.2mm, Height=1.2mm, Height - Seated (Max)=0.039inch, Lead Free="Lead Free", Length=2.5mm, Max DC Current=1.3A, Military Standard=Not, Mount="Surface Mount", Packaging="Tape and Reel", Radiation Hardening=No, REACH SVHC="No SVHC", Series=LQM2HP_G0, Shielding=Shielded, Termination=SMD/SMT, Tolerance=20%, Width=2mm
LED1: library part CMP-08952-000015-1, "LED GREEN CLEAR 1006 SMD", Colour=Green, Forward Current=20mA, Forward Voltage=2.1V, Manufacturer=Rohm, Manufacturer Part Number=SML-P13PTT86R, Package=SML-P1, Power Dissipation=52mW, Reverse Voltage=5V, Temperature="-40°C to +85°C", Temperature Range High=+85°C, Temperature Range Low=-40°C, Automotive=No, Category=Diode, ComponentLink2Description=Datasheet, ComponentLink2URL=https://d1d2qsbl8m0m72.cloudfront.net/en/products/databook/datasheet/opto/led/chip_mono/sml-p1-e.pdf, Device Class L1=Optoelectronics, Device Class L2=LEDs, Device Class L3=unset, Digikey Description="LED GREEN CLEAR 1006 SMD", Height=0.25mm, Lead Free=Yes, Led Orientation="Top View", Luminous Intensity=10mcd, Mouser Description="LED Uni-Color Green 2-Pin Chip 0402(1006Metric) T/R", Octopart=https://octopart.com/sml-p13ptt86r-rohm-59370256, RoHS=TRUE, Wavelength=560nm
p1 p2: library part "2Pin SMD pad"
Q1 Q2: library part CMP-20235-000001-1, "NPN TRANSISTOR 1.5A 40V SOT-23 R", Case/Package=TO-236-3, Collector Emitter Breakdown Voltage=25V, Collector Emitter Voltage (VCEO)=400mV, Manufacturer=Comchip, Manufacturer Part Number=SS8050-G, Max Collector Current=1.5A, Max Power Dissipation=300mW, Transition Frequency=100MHz, Max Breakdown Voltage=25V, Mount="Surface Mount", Packaging="Tape and Reel", RoHS Compliant=Yes
R1 R2 R3 R7 R8 R9 R11 R14 R15 R16 R17 R19 R26 R35 R53: library part CMP-2002-00759-4, "RES SMD 20K OHM 1% 1/10W 0402", Case Code (Imperial)=0402, Case Code (Metric)=1005, Manufacturer=Panasonic, Manufacturer Part Number=ERJ-2RKF2002X, Max Operating Temperature=155°C, Max Power Dissipation=100mW, Min Operating Temperature=-55°C, Package Quantity=1, Resistance=20kR, Temperature Coefficient=100ppm/°C, Tolerance=1%, Voltage Rating=50V, Case/Package=0402, Composition="Thick Film", Contact Plating=Tin, Depth=0.5mm, Features="Automotive AEC-Q200", Height=0.35mm, Lead Free="Lead Free", Length=1mm, Military Standard=Not, Mount="Surface Mount", Number of Terminations=2, Packaging="Cut Tape", Power Rating=100mW, Radiation Hardening=No, REACH SVHC="No SVHC", Termination=SMD/SMT, Voltage Rating (DC)=50V, Weight=2.8E-05oz, Width=0.02inch
R4 R5 R10 R12 R18 R20 R21 R22 R23 R24 R25 R27 R28 R29 R30 R31 R32 R33 R34 R36 R37 R38 R39 R40 R41 R42 R43 R44 R45 R46 R47 R48 R49 R50 R51 R52 R54 R55 R56 R57 R59 R60: library part CMP-1011-00360-3, "RES SMD 47 OHM 1% 1/10W 0402", Case Code (Imperial)=0402, Case Code (Metric)=1005, Manufacturer="Vishay Dale", Manufacturer Part Number=CRCW040247R0FKTD, Max Operating Temperature=155°C, Max Power Dissipation=100mW, Min Operating Temperature=-55°C, Package Quantity=1, Resistance=47R, Resistance Tolerance=1%, Resistor Type="Thick Film", Temperature Coefficient=100ppm/°C, Voltage Rating=50V, Case/Package=0402, Construction=Rectangular, Contact Plating=Tin, Depth=0.5mm, Features="Automotive AEC-Q200", Height=0.35mm, Lead Free="Lead Free", Length=1mm, Military Standard=Not, Mount="Surface Mount", Number of Pins=2, Number of Terminations=2, Packaging="Tape and Reel", Power Rating=100mW, REACH SVHC="No SVHC", RoHS Compliant=Yes, Series=ERJ, Technology="THICK FILM", Termination=SMD/SMT, Tolerance=1%, Voltage Rating (DC)=50V, Weight=2.8E-05oz, Width=0.02inch